# EAGLE board Mk4 Final Panel 8up 2x4 (EAGLE 9.0.1), part 15 of 23 (continued)
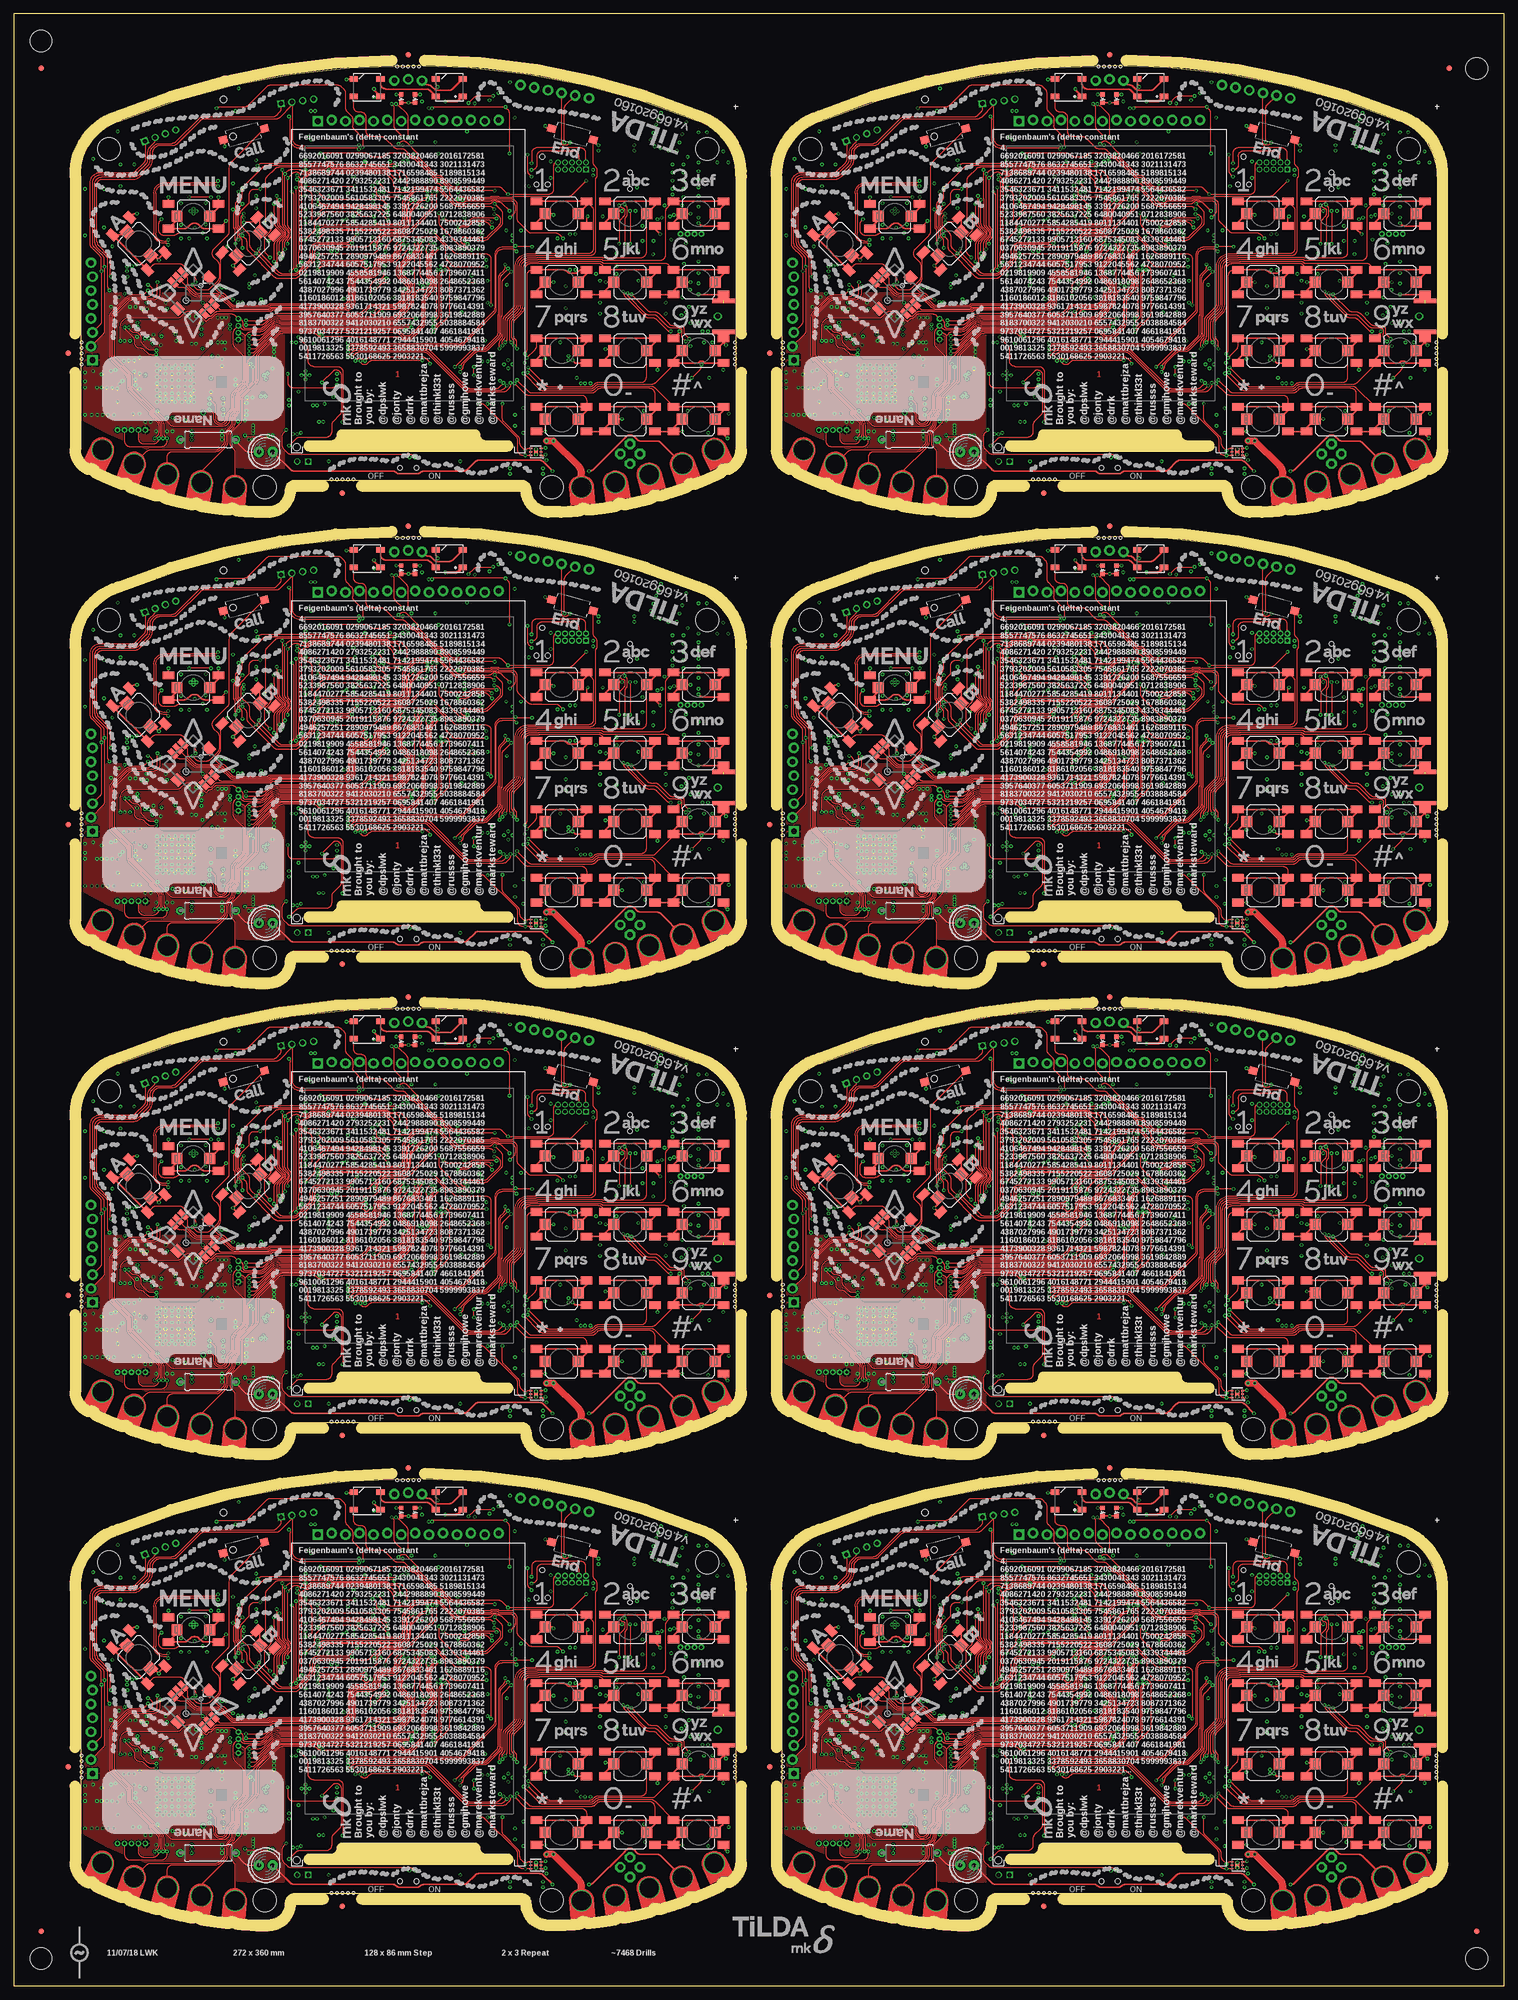
[diagram p0: board, top side]
## Tracks (layer width: path | path; a pad name or v marks a point on that pad's centre or on a via) (continued)
MIC_SWITCHED_P  (via drill 0.3)
  3V3@2 0.2: v41.06,88.32 arc-14 72,91.5 arc-7 91,90.5 arc-12 110.75,86 114,82.75 114,70.5 v113.75,70.25
  Bottom 0.2: IC12.2 105.54,66.05 arc-90 105.74,66.25 108,66.25 108.08,66.33 108.41,66.33 arc45 109.12,66.62 110.11,67.62 arc-45 110.25,67.67 110.81,67.67 arc45 111.17,67.82 111.52,68.17 arc-45 111.66,68.23 113.25,68.23 arc90 113.75,68.73 v113.75,70.25 114.5,71 115,71 115.47,71.47 S22.2 | J9.1 41.77,87.19 arc45 41.48,87.9 v41.06,88.32
MIC_SWITCHED_P1  (via drill 0.3)
  3V3@2 0.2: v169.06,88.32 arc-14 200,91.5 arc-7 219,90.5 arc-12 238.75,86 242,82.75 242,70.5 v241.75,70.25
  Bottom 0.2: IC27.2 233.54,66.05 arc-90 233.74,66.25 236,66.25 236.07,66.33 236.41,66.33 arc45 237.12,66.62 238.11,67.62 arc-45 238.25,67.67 238.81,67.67 arc45 239.17,67.82 239.51,68.17 arc-45 239.66,68.23 241.25,68.23 arc90 241.75,68.73 v241.75,70.25 242.5,71 243,71 243.47,71.47 S42.2 | J17.1 169.78,87.19 arc45 169.48,87.9 v169.06,88.32
MIC_SWITCHED_P2  (via drill 0.3)
  3V3@2 0.2: v41.06,174.32 arc-14 72,177.5 arc-7 91,176.5 arc-12 110.75,172 114,168.75 114,156.5 v113.75,156.25
  Bottom 0.2: IC45.2 105.54,152.05 arc-90 105.74,152.25 108,152.25 108.08,152.32 108.41,152.32 arc45 109.12,152.62 110.11,153.62 arc-45 110.25,153.68 110.81,153.68 arc45 111.17,153.82 111.52,154.17 arc-45 111.66,154.23 113.25,154.23 arc90 113.75,154.73 v113.75,156.25 114.5,157 115,157 115.47,157.47 S63.2 | J27.1 41.77,173.19 arc45 41.48,173.9 v41.06,174.32
MIC_SWITCHED_P3  (via drill 0.3)
  3V3@2 0.2: v169.06,174.32 arc-14 200,177.5 arc-7 219,176.5 arc-12 238.75,172 242,168.75 242,156.5 v241.75,156.25
  Bottom 0.2: IC63.2 233.54,152.05 arc-90 233.74,152.25 236,152.25 236.07,152.32 236.41,152.32 arc45 237.12,152.62 238.11,153.62 arc-45 238.25,153.68 238.81,153.68 arc45 239.17,153.82 239.51,154.17 arc-45 239.66,154.23 241.25,154.23 arc90 241.75,154.73 v241.75,156.25 242.5,157 243,157 243.47,157.47 S84.2 | J37.1 169.78,173.19 arc45 169.48,173.9 v169.06,174.32
MIC_SWITCHED_P4  (via drill 0.3)
  3V3@2 0.2: v41.06,260.32 arc-14 72,263.5 arc-7 91,262.5 arc-12 110.75,258 114,254.75 114,242.5 v113.75,242.25
  Bottom 0.2: IC81.2 105.54,238.05 arc-90 105.74,238.25 108,238.25 108.08,238.32 108.41,238.32 arc45 109.12,238.62 110.11,239.62 arc-45 110.25,239.68 110.81,239.68 arc45 111.17,239.82 111.52,240.17 arc-45 111.66,240.23 113.25,240.23 arc90 113.75,240.73 v113.75,242.25 114.5,243 115,243 115.47,243.47 S105.2 | J47.1 41.77,259.19 arc45 41.48,259.9 v41.06,260.32
MIC_SWITCHED_P5  (via drill 0.3)
  3V3@2 0.2: v169.06,260.32 arc-14 200,263.5 arc-7 219,262.5 arc-12 238.75,258 242,254.75 242,242.5 v241.75,242.25
  Bottom 0.2: IC99.2 233.54,238.05 arc-90 233.74,238.25 236,238.25 236.07,238.32 236.41,238.32 arc45 237.12,238.62 238.11,239.62 arc-45 238.25,239.68 238.81,239.68 arc45 239.17,239.82 239.51,240.17 arc-45 239.66,240.23 241.25,240.23 arc90 241.75,240.73 v241.75,242.25 242.5,243 243,243 243.47,243.47 S126.2 | J57.1 169.78,259.19 arc45 169.48,259.9 v169.06,260.32
MIC_SWITCHED_P6  (via drill 0.3)
  3V3@2 0.2: v41.06,346.32 arc-14 72,349.5 arc-7 91,348.5 arc-12 110.75,344 114,340.75 114,328.5 v113.75,328.25
  Bottom 0.2: IC117.2 105.54,324.05 arc-90 105.74,324.25 108,324.25 108.08,324.32 108.41,324.32 arc45 109.12,324.62 110.11,325.62 arc-45 110.25,325.68 110.81,325.68 arc45 111.17,325.82 111.52,326.17 arc-45 111.66,326.23 113.25,326.23 arc90 113.75,326.73 v113.75,328.25 114.5,329 115,329 115.47,329.48 S147.2 | J67.1 41.77,345.19 arc45 41.48,345.9 v41.06,346.32
MIC_SWITCHED_P7  (via drill 0.3)
  3V3@2 0.2: v169.06,346.32 arc-14 200,349.5 arc-7 219,348.5 arc-12 238.75,344 242,340.75 242,328.5 v241.75,328.25
  Bottom 0.2: IC135.2 233.54,324.05 arc-90 233.74,324.25 236,324.25 236.07,324.32 236.41,324.32 arc45 237.12,324.62 238.11,325.62 arc-45 238.25,325.68 238.81,325.68 arc45 239.17,325.82 239.51,326.17 arc-45 239.66,326.23 241.25,326.23 arc90 241.75,326.73 v241.75,328.25 242.5,329 243,329 243.47,329.48 S168.2 | J77.1 169.78,345.19 arc45 169.48,345.9 v169.06,346.32
MUX_A  (via drill 0.3)
  Top 0.15: v81.15,68.2 81.4,68.45 arc-45 81.76,68.6 81.91,68.6 arc-45 82.15,68.5 86.9,68.5 arc45 87.04,68.56 87.15,68.67 arc-45 87.29,68.72 88.31,68.72 arc-45 88.45,68.67 88.56,68.56 arc45 88.7,68.5 90.89,68.5 arc45 91.08,68.58 arc-45 91.43,68.72 101.31,68.72 arc45 102.02,69.02 v104.5,71.5
  Bottom 0.15: IC1.105 80.95,68 v81.15,68.2
  Bottom 0.2: IC12.12 104.27,71.27 v104.5,71.5 R56.1 105.54,71.29 IC12.13
MUX_A1  (via drill 0.3)
  Top 0.15: v209.15,68.2 209.4,68.45 arc-45 209.76,68.6 209.91,68.6 arc-45 210.15,68.5 214.9,68.5 arc45 215.04,68.56 215.15,68.67 arc-45 215.29,68.72 216.31,68.72 arc-45 216.45,68.67 216.56,68.56 arc45 216.7,68.5 218.89,68.5 arc45 219.08,68.58 arc-45 219.43,68.72 229.31,68.72 arc45 230.02,69.02 v232.5,71.5
  Bottom 0.15: IC20.105 208.95,68 v209.15,68.2
  Bottom 0.2: IC27.12 232.27,71.27 v232.5,71.5 R134.1 233.54,71.29 IC27.13
MUX_A2  (via drill 0.3)
  Top 0.15: v81.15,154.2 81.4,154.45 arc-45 81.76,154.6 81.91,154.6 arc-45 82.15,154.5 86.9,154.5 arc45 87.04,154.56 87.15,154.67 arc-45 87.29,154.72 88.31,154.72 arc-45 88.45,154.67 88.56,154.56 arc45 88.7,154.5 90.89,154.5 arc45 91.08,154.58 arc-45 91.43,154.72 101.31,154.72 arc45 102.02,155.02 v104.5,157.5
  Bottom 0.15: IC38.105 80.95,154 v81.15,154.2
  Bottom 0.2: IC45.12 104.27,157.27 v104.5,157.5 R212.1 105.54,157.29 IC45.13
MUX_A3  (via drill 0.3)
  Top 0.15: v209.15,154.2 209.4,154.45 arc-45 209.76,154.6 209.91,154.6 arc-45 210.15,154.5 214.9,154.5 arc45 215.04,154.56 215.15,154.67 arc-45 215.29,154.72 216.31,154.72 arc-45 216.45,154.67 216.56,154.56 arc45 216.7,154.5 218.89,154.5 arc45 219.08,154.58 arc-45 219.43,154.72 229.31,154.72 arc45 230.02,155.02 v232.5,157.5
  Bottom 0.15: IC56.105 208.95,154 v209.15,154.2
  Bottom 0.2: IC63.12 232.27,157.27 v232.5,157.5 R290.1 233.54,157.29 IC63.13
MUX_A4  (via drill 0.3)
  Top 0.15: v81.15,240.2 81.4,240.45 arc-45 81.76,240.6 81.91,240.6 arc-45 82.15,240.5 86.9,240.5 arc45 87.04,240.56 87.15,240.67 arc-45 87.29,240.72 88.31,240.72 arc-45 88.45,240.67 88.56,240.56 arc45 88.7,240.5 90.89,240.5 arc45 91.08,240.58 arc-45 91.43,240.72 101.31,240.72 arc45 102.02,241.02 v104.5,243.5
  Bottom 0.15: IC74.105 80.95,240 v81.15,240.2
  Bottom 0.2: IC81.12 104.27,243.27 v104.5,243.5 R368.1 105.54,243.29 IC81.13
MUX_A5  (via drill 0.3)
  Top 0.15: v209.15,240.2 209.4,240.45 arc-45 209.76,240.6 209.91,240.6 arc-45 210.15,240.5 214.9,240.5 arc45 215.04,240.56 215.15,240.67 arc-45 215.29,240.72 216.31,240.72 arc-45 216.45,240.67 216.56,240.56 arc45 216.7,240.5 218.89,240.5 arc45 219.08,240.58 arc-45 219.43,240.72 229.31,240.72 arc45 230.02,241.02 v232.5,243.5
  Bottom 0.15: IC92.105 208.95,240 v209.15,240.2
  Bottom 0.2: IC99.12 232.27,243.27 v232.5,243.5 R446.1 233.54,243.29 IC99.13
MUX_A6  (via drill 0.3)
  Top 0.15: v81.15,326.2 81.4,326.45 arc-45 81.76,326.6 81.91,326.6 arc-45 82.15,326.5 86.9,326.5 arc45 87.04,326.56 87.15,326.67 arc-45 87.29,326.73 88.31,326.73 arc-45 88.45,326.67 88.56,326.56 arc45 88.7,326.5 90.89,326.5 arc45 91.08,326.58 arc-45 91.43,326.73 101.31,326.73 arc45 102.02,327.02 v104.5,329.5
  Bottom 0.15: IC110.105 80.95,326 v81.15,326.2
  Bottom 0.2: IC117.12 104.27,329.27 v104.5,329.5 R524.1 105.54,329.29 IC117.13
MUX_A7  (via drill 0.3)
  Top 0.15: v209.15,326.2 209.4,326.45 arc-45 209.76,326.6 209.91,326.6 arc-45 210.15,326.5 214.9,326.5 arc45 215.04,326.56 215.15,326.67 arc-45 215.29,326.73 216.31,326.73 arc-45 216.45,326.67 216.56,326.56 arc45 216.7,326.5 218.89,326.5 arc45 219.08,326.58 arc-45 219.43,326.73 229.31,326.73 arc45 230.02,327.02 v232.5,329.5
  Bottom 0.15: IC128.105 208.95,326 v209.15,326.2
  Bottom 0.2: IC135.12 232.27,329.27 v232.5,329.5 R602.1 233.54,329.29 IC135.13
MUX_B  (via drill 0.3)
  Top 0.15: v100.25,61 99.54,61.71 arc45 98.84,62 94.51,62 arc-45 93.81,62.29 92.09,64.01 arc-45 91.8,64.71 91.8,67.2 arc90 90.8,68.2 88.57,68.2 arc-45 88.43,68.26 88.33,68.37 arc45 88.18,68.42 87.42,68.42 arc45 87.28,68.37 87.17,68.26 arc-45 87.03,68.2 82.31,68.2 arc45 81.95,68.05 v81.9,68
  Bottom 0.15: R55.2 v100.25,61 | IC1.106 81.5,67.6 v81.9,68
  Bottom 0.2: IC12.6 100.46,61.96 R55.2 100.31,61.75 arc45 101.02,62.04 101.27,62.3 101.3,62.3 101.73,62.73 IC12.5
MUX_B1  (via drill 0.3)
  Top 0.15: v228.25,61 227.54,61.71 arc45 226.84,62 222.51,62 arc-45 221.81,62.29 220.09,64.01 arc-45 219.8,64.71 219.8,67.2 arc90 218.8,68.2 216.57,68.2 arc-45 216.43,68.26 216.32,68.37 arc45 216.18,68.42 215.42,68.42 arc45 215.28,68.37 215.17,68.26 arc-45 215.03,68.2 210.31,68.2 arc45 209.95,68.05 v209.9,68
  Bottom 0.15: R133.2 v228.25,61 | IC20.106 209.5,67.6 v209.9,68
  Bottom 0.2: IC27.6 228.46,61.96 R133.2 228.31,61.75 arc45 229.01,62.04 229.27,62.3 229.3,62.3 229.73,62.73 IC27.5
MUX_B2  (via drill 0.3)
  Top 0.15: v100.25,147 99.54,147.71 arc45 98.84,148 94.51,148 arc-45 93.81,148.29 92.09,150.01 arc-45 91.8,150.71 91.8,153.2 arc90 90.8,154.2 88.57,154.2 arc-45 88.43,154.26 88.33,154.37 arc45 88.18,154.43 87.42,154.43 arc45 87.28,154.37 87.17,154.26 arc-45 87.03,154.2 82.31,154.2 arc45 81.95,154.05 v81.9,154
  Bottom 0.15: R211.2 v100.25,147 | IC38.106 81.5,153.6 v81.9,154
  Bottom 0.2: IC45.6 100.46,147.96 R211.2 100.31,147.75 arc45 101.02,148.04 101.27,148.3 101.3,148.3 101.73,148.73 IC45.5
MUX_B3  (via drill 0.3)
  Top 0.15: v228.25,147 227.54,147.71 arc45 226.84,148 222.51,148 arc-45 221.81,148.29 220.09,150.01 arc-45 219.8,150.71 219.8,153.2 arc90 218.8,154.2 216.57,154.2 arc-45 216.43,154.26 216.32,154.37 arc45 216.18,154.43 215.42,154.43 arc45 215.28,154.37 215.17,154.26 arc-45 215.03,154.2 210.31,154.2 arc45 209.95,154.05 v209.9,154
  Bottom 0.15: R289.2 v228.25,147 | IC56.106 209.5,153.6 v209.9,154
  Bottom 0.2: IC63.6 228.46,147.96 R289.2 228.31,147.75 arc45 229.01,148.04 229.27,148.3 229.3,148.3 229.73,148.73 IC63.5
MUX_B4  (via drill 0.3)
  Top 0.15: v100.25,233 99.54,233.71 arc45 98.84,234 94.51,234 arc-45 93.81,234.29 92.09,236.01 arc-45 91.8,236.71 91.8,239.2 arc90 90.8,240.2 88.57,240.2 arc-45 88.43,240.26 88.33,240.37 arc45 88.18,240.43 87.42,240.43 arc45 87.28,240.37 87.17,240.26 arc-45 87.03,240.2 82.31,240.2 arc45 81.95,240.05 v81.9,240
  Bottom 0.15: R367.2 v100.25,233 | IC74.106 81.5,239.6 v81.9,240
  Bottom 0.2: IC81.6 100.46,233.96 R367.2 100.31,233.75 arc45 101.02,234.04 101.27,234.3 101.3,234.3 101.73,234.73 IC81.5
MUX_B5  (via drill 0.3)
  Top 0.15: v228.25,233 227.54,233.71 arc45 226.84,234 222.51,234 arc-45 221.81,234.29 220.09,236.01 arc-45 219.8,236.71 219.8,239.2 arc90 218.8,240.2 216.57,240.2 arc-45 216.43,240.26 216.32,240.37 arc45 216.18,240.43 215.42,240.43 arc45 215.28,240.37 215.17,240.26 arc-45 215.03,240.2 210.31,240.2 arc45 209.95,240.05 v209.9,240
  Bottom 0.15: R445.2 v228.25,233 | IC92.106 209.5,239.6 v209.9,240
  Bottom 0.2: IC99.6 228.46,233.96 R445.2 228.31,233.75 arc45 229.01,234.04 229.27,234.3 229.3,234.3 229.73,234.73 IC99.5
MUX_B6  (via drill 0.3)
  Top 0.15: v100.25,319 99.54,319.71 arc45 98.84,320 94.51,320 arc-45 93.81,320.29 92.09,322.01 arc-45 91.8,322.71 91.8,325.2 arc90 90.8,326.2 88.57,326.2 arc-45 88.43,326.26 88.33,326.37 arc45 88.18,326.43 87.42,326.43 arc45 87.28,326.37 87.17,326.26 arc-45 87.03,326.2 82.31,326.2 arc45 81.95,326.05 v81.9,326
  Bottom 0.15: R523.2 v100.25,319 | IC110.106 81.5,325.6 v81.9,326
  Bottom 0.2: IC117.6 100.46,319.96 R523.2 100.31,319.75 arc45 101.02,320.04 101.27,320.3 101.3,320.3 101.73,320.73 IC117.5
MUX_B7  (via drill 0.3)
  Top 0.15: v228.25,319 227.54,319.71 arc45 226.84,320 222.51,320 arc-45 221.81,320.29 220.09,322.01 arc-45 219.8,322.71 219.8,325.2 arc90 218.8,326.2 216.57,326.2 arc-45 216.43,326.26 216.32,326.37 arc45 216.18,326.43 215.42,326.43 arc45 215.28,326.37 215.17,326.26 arc-45 215.03,326.2 210.31,326.2 arc45 209.95,326.05 v209.9,326
  Bottom 0.15: R601.2 v228.25,319 | IC128.106 209.5,325.6 v209.9,326
  Bottom 0.2: IC135.6 228.46,319.96 R601.2 228.31,319.75 arc45 229.01,320.04 229.27,320.3 229.3,320.3 229.73,320.73 IC135.5
N$1
  cutout GND@3 (no thermals): 33.9,40.9 33.9,40.85 33.9,40.9 34.24,41.24 arc-90 34.66,41.24 34.84,41.06 arc-90 34.84,40.64 32.15,37.95 32.15,37.8 arc-90 31.85,37.5 31.75,37.5 arc-90 31.45,37.8 31.45,38.4 33.9,40.85
N$2
  cutout GND@3 (no thermals): 29.1,42.5 29.1,38.8 29.85,38.05 29.85,37.75 arc-90 29.55,37.45 29.45,37.45 arc-90 29.15,37.75 28.4,38.5 28.4,43 29.29,43.89 arc-90 29.71,43.89 29.89,43.71 arc-90 29.89,43.29
N$3
  cutout GND@3 (no thermals): 28.1,42.6 28.1,38.6 28.65,38.05 28.65,37.75 arc-90 28.35,37.45 28.25,37.45 arc-90 27.95,37.75 27.4,38.3 27.4,42.1 26.61,42.89 arc-90 26.61,43.31 26.79,43.49 arc-90 27.21,43.49
N$4
  cutout 3V3@2: 92.1,17 92.1,20.75 96.1,20.75 96.1,17
  cutout GND@3: 92.1,17 92.1,20.75 96.1,20.75 96.1,17
N$5
  cutout GND@3 (no thermals): 161.9,40.9 161.9,40.85 161.9,40.9 162.24,41.24 arc-90 162.66,41.24 162.84,41.06 arc-90 162.84,40.64 160.15,37.95 160.15,37.8 arc-90 159.85,37.5 159.75,37.5 arc-90 159.45,37.8 159.45,38.4 161.9,40.85
N$6
  cutout GND@3 (no thermals): 157.1,42.5 157.1,38.8 157.85,38.05 157.85,37.75 arc-90 157.55,37.45 157.45,37.45 arc-90 157.15,37.75 156.4,38.5 156.4,43 157.29,43.89 arc-90 157.71,43.89 157.89,43.71 arc-90 157.89,43.29
N$7
  cutout GND@3 (no thermals): 156.1,42.6 156.1,38.6 156.65,38.05 156.65,37.75 arc-90 156.35,37.45 156.25,37.45 arc-90 155.95,37.75 155.4,38.3 155.4,42.1 154.61,42.89 arc-90 154.61,43.31 154.79,43.49 arc-90 155.21,43.49
N$8
  cutout 3V3@2: 220.1,17 220.1,20.75 224.1,20.75 224.1,17
  cutout GND@3: 220.1,17 220.1,20.75 224.1,20.75 224.1,17
N$9
  cutout GND@3 (no thermals): 33.9,126.9 33.9,126.85 33.9,126.9 34.24,127.24 arc-90 34.66,127.24 34.84,127.06 arc-90 34.84,126.64 32.15,123.95 32.15,123.8 arc-90 31.85,123.5 31.75,123.5 arc-90 31.45,123.8 31.45,124.4 33.9,126.85
N$10
  cutout GND@3 (no thermals): 29.1,128.5 29.1,124.8 29.85,124.05 29.85,123.75 arc-90 29.55,123.45 29.45,123.45 arc-90 29.15,123.75 28.4,124.5 28.4,129 29.29,129.89 arc-90 29.71,129.89 29.89,129.71 arc-90 29.89,129.29
N$11
  cutout GND@3 (no thermals): 28.1,128.6 28.1,124.6 28.65,124.05 28.65,123.75 arc-90 28.35,123.45 28.25,123.45 arc-90 27.95,123.75 27.4,124.3 27.4,128.1 26.61,128.89 arc-90 26.61,129.31 26.79,129.49 arc-90 27.21,129.49
N$12
  cutout 3V3@2: 92.1,103 92.1,106.75 96.1,106.75 96.1,103
  cutout GND@3: 92.1,103 92.1,106.75 96.1,106.75 96.1,103
N$13
  cutout GND@3 (no thermals): 161.9,126.9 161.9,126.85 161.9,126.9 162.24,127.24 arc-90 162.66,127.24 162.84,127.06 arc-90 162.84,126.64 160.15,123.95 160.15,123.8 arc-90 159.85,123.5 159.75,123.5 arc-90 159.45,123.8 159.45,124.4 161.9,126.85
N$14
  cutout GND@3 (no thermals): 157.1,128.5 157.1,124.8 157.85,124.05 157.85,123.75 arc-90 157.55,123.45 157.45,123.45 arc-90 157.15,123.75 156.4,124.5 156.4,129 157.29,129.89 arc-90 157.71,129.89 157.89,129.71 arc-90 157.89,129.29
N$15
  cutout GND@3 (no thermals): 156.1,128.6 156.1,124.6 156.65,124.05 156.65,123.75 arc-90 156.35,123.45 156.25,123.45 arc-90 155.95,123.75 155.4,124.3 155.4,128.1 154.61,128.89 arc-90 154.61,129.31 154.79,129.49 arc-90 155.21,129.49
N$16
  cutout 3V3@2: 220.1,103 220.1,106.75 224.1,106.75 224.1,103
  cutout GND@3: 220.1,103 220.1,106.75 224.1,106.75 224.1,103
N$17
  cutout GND@3 (no thermals): 33.9,212.9 33.9,212.85 33.9,212.9 34.24,213.24 arc-90 34.66,213.24 34.84,213.06 arc-90 34.84,212.64 32.15,209.95 32.15,209.8 arc-90 31.85,209.5 31.75,209.5 arc-90 31.45,209.8 31.45,210.4 33.9,212.85
N$18
  cutout GND@3 (no thermals): 29.1,214.5 29.1,210.8 29.85,210.05 29.85,209.75 arc-90 29.55,209.45 29.45,209.45 arc-90 29.15,209.75 28.4,210.5 28.4,215 29.29,215.89 arc-90 29.71,215.89 29.89,215.71 arc-90 29.89,215.29
N$19
  cutout GND@3 (no thermals): 28.1,214.6 28.1,210.6 28.65,210.05 28.65,209.75 arc-90 28.35,209.45 28.25,209.45 arc-90 27.95,209.75 27.4,210.3 27.4,214.1 26.61,214.89 arc-90 26.61,215.31 26.79,215.49 arc-90 27.21,215.49
N$20
  cutout 3V3@2: 92.1,189 92.1,192.75 96.1,192.75 96.1,189
  cutout GND@3: 92.1,189 92.1,192.75 96.1,192.75 96.1,189
N$21
  cutout GND@3 (no thermals): 161.9,212.9 161.9,212.85 161.9,212.9 162.24,213.24 arc-90 162.66,213.24 162.84,213.06 arc-90 162.84,212.64 160.15,209.95 160.15,209.8 arc-90 159.85,209.5 159.75,209.5 arc-90 159.45,209.8 159.45,210.4 161.9,212.85
N$22
  cutout GND@3 (no thermals): 157.1,214.5 157.1,210.8 157.85,210.05 157.85,209.75 arc-90 157.55,209.45 157.45,209.45 arc-90 157.15,209.75 156.4,210.5 156.4,215 157.29,215.89 arc-90 157.71,215.89 157.89,215.71 arc-90 157.89,215.29
N$23
  cutout GND@3 (no thermals): 156.1,214.6 156.1,210.6 156.65,210.05 156.65,209.75 arc-90 156.35,209.45 156.25,209.45 arc-90 155.95,209.75 155.4,210.3 155.4,214.1 154.61,214.89 arc-90 154.61,215.31 154.79,215.49 arc-90 155.21,215.49
N$24
  cutout 3V3@2: 220.1,189 220.1,192.75 224.1,192.75 224.1,189
  cutout GND@3: 220.1,189 220.1,192.75 224.1,192.75 224.1,189
N$25
  cutout GND@3 (no thermals): 33.9,298.9 33.9,298.85 33.9,298.9 34.24,299.24 arc-90 34.66,299.24 34.84,299.06 arc-90 34.84,298.64 32.15,295.95 32.15,295.8 arc-90 31.85,295.5 31.75,295.5 arc-90 31.45,295.8 31.45,296.4 33.9,298.85
N$26
  cutout GND@3 (no thermals): 29.1,300.5 29.1,296.8 29.85,296.05 29.85,295.75 arc-90 29.55,295.45 29.45,295.45 arc-90 29.15,295.75 28.4,296.5 28.4,301 29.29,301.89 arc-90 29.71,301.89 29.89,301.71 arc-90 29.89,301.29
N$27
  cutout GND@3 (no thermals): 28.1,300.6 28.1,296.6 28.65,296.05 28.65,295.75 arc-90 28.35,295.45 28.25,295.45 arc-90 27.95,295.75 27.4,296.3 27.4,300.1 26.61,300.89 arc-90 26.61,301.31 26.79,301.49 arc-90 27.21,301.49
N$28
  cutout 3V3@2: 92.1,275 92.1,278.75 96.1,278.75 96.1,275
  cutout GND@3: 92.1,275 92.1,278.75 96.1,278.75 96.1,275
N$29
  cutout GND@3 (no thermals): 161.9,298.9 161.9,298.85 161.9,298.9 162.24,299.24 arc-90 162.66,299.24 162.84,299.06 arc-90 162.84,298.64 160.15,295.95 160.15,295.8 arc-90 159.85,295.5 159.75,295.5 arc-90 159.45,295.8 159.45,296.4 161.9,298.85
N$30
  cutout GND@3 (no thermals): 157.1,300.5 157.1,296.8 157.85,296.05 157.85,295.75 arc-90 157.55,295.45 157.45,295.45 arc-90 157.15,295.75 156.4,296.5 156.4,301 157.29,301.89 arc-90 157.71,301.89 157.89,301.71 arc-90 157.89,301.29
N$31
  cutout GND@3 (no thermals): 156.1,300.6 156.1,296.6 156.65,296.05 156.65,295.75 arc-90 156.35,295.45 156.25,295.45 arc-90 155.95,295.75 155.4,296.3 155.4,300.1 154.61,300.89 arc-90 154.61,301.31 154.79,301.49 arc-90 155.21,301.49
N$32
  cutout 3V3@2: 220.1,275 220.1,278.75 224.1,278.75 224.1,275
  cutout GND@3: 220.1,275 220.1,278.75 224.1,278.75 224.1,275
NETLIGHT_R
  Bottom 0.15: IC5.41 109.2,44 arc-90 108.2,43 102.75,43 R42.2
NETLIGHT_R1
  Bottom 0.15: IC21.41 237.2,44 arc-90 236.2,43 230.75,43 R124.2
NETLIGHT_R2
  Bottom 0.15: IC39.41 109.2,130 arc-90 108.2,129 102.75,129 R202.2
NETLIGHT_R3
  Bottom 0.15: IC57.41 237.2,130 arc-90 236.2,129 230.75,129 R280.2
NETLIGHT_R4
  Bottom 0.15: IC75.41 109.2,216 arc-90 108.2,215 102.75,215 R358.2
NETLIGHT_R5
  Bottom 0.15: IC93.41 237.2,216 arc-90 236.2,215 230.75,215 R436.2
NETLIGHT_R6
  Bottom 0.15: IC111.41 109.2,302 arc-90 108.2,301 102.75,301 R514.2
NETLIGHT_R7
  Bottom 0.15: IC129.41 237.2,302 arc-90 236.2,301 230.75,301 R592.2
OSC0
  Bottom 0.15: IC1.88 75,76.2 C16.2 74.75,77.91 arc45 74.46,78.62 X2.1
OSC1
  Bottom 0.15: IC1.89 75.4,74.1 R6.1
OSC1_R
  Bottom 0.15: R6.2 C17.2 75.75,77.47 X2.3
OSC1_R1
  Bottom 0.15: R90.2 C127.2 203.75,77.47 X6.3
OSC1_R2
  Bottom 0.15: R168.2 C235.2 75.75,163.47 X10.3
OSC1_R3
  Bottom 0.15: R246.2 C343.2 203.75,163.47 X14.3
OSC1_R4
  Bottom 0.15: R324.2 C451.2 75.75,249.47 X18.3
OSC1_R5
  Bottom 0.15: R402.2 C559.2 203.75,249.47 X22.3
OSC1_R6
  Bottom 0.15: R480.2 C667.2 75.75,335.48 X26.3
OSC1_R7
  Bottom 0.15: R558.2 C775.2 203.75,335.48 X30.3
OSC2
  Bottom 0.15: IC20.88 203,76.2 C126.2 202.75,77.91 arc45 202.46,78.62 X6.1
OSC3
  Bottom 0.15: IC20.89 203.4,74.1 R90.1
OSC4
  Bottom 0.15: IC38.88 75,162.2 C234.2 74.75,163.91 arc45 74.46,164.62 X10.1
OSC5
  Bottom 0.15: IC38.89 75.4,160.1 R168.1
OSC6
  Bottom 0.15: IC56.88 203,162.2 C342.2 202.75,163.91 arc45 202.46,164.62 X14.1
OSC7
  Bottom 0.15: IC56.89 203.4,160.1 R246.1
OSC8
  Bottom 0.15: IC74.88 75,248.2 C450.2 74.75,249.91 arc45 74.46,250.62 X18.1
OSC9
  Bottom 0.15: IC74.89 75.4,246.1 R324.1
OSC10
  Bottom 0.15: IC92.88 203,248.2 C558.2 202.75,249.91 arc45 202.46,250.62 X22.1
OSC11
  Bottom 0.15: IC92.89 203.4,246.1 R402.1
OSC12
  Bottom 0.15: IC110.88 75,334.2 C666.2 74.75,335.91 arc45 74.46,336.62 X26.1
OSC13
  Bottom 0.15: IC110.89 75.4,332.1 R480.1
OSC14
  Bottom 0.15: IC128.88 203,334.2 C774.2 202.75,335.91 arc45 202.46,336.62 X30.1
OSC15
  Bottom 0.15: IC128.89 203.4,332.1 R558.1
POWER_SWITCH  (via drill 0.3)
  Top 0.15: v73.25,21 73.02,21.23 arc45 72.31,21.52 72.03,21.52 72.01,21.5 50.71,21.5 arc-45 50.01,21.79 49.32,22.48 arc-45 49.02,23.19 49.02,24.86 arc-45 49.32,25.57 v49.75,26
  Bottom 0.15: Q3.4 50.3,26.2 R13.1 v49.75,26 | S18.3 73.61,20.85 arc-45 v73.25,21
POWER_SWITCH1  (via drill 0.3)
  Top 0.15: v201.25,21 201.02,21.23 arc45 200.31,21.52 200.03,21.52 200.01,21.5 178.71,21.5 arc-45 178.01,21.79 177.32,22.48 arc-45 177.03,23.19 177.03,24.86 arc-45 177.32,25.57 v177.75,26
  Bottom 0.15: Q7.4 178.3,26.2 R96.1 v177.75,26 | S39.3 201.61,20.85 arc-45 v201.25,21
POWER_SWITCH2  (via drill 0.3)
  Top 0.15: v73.25,107 73.02,107.23 arc45 72.31,107.53 72.03,107.53 72.01,107.5 50.71,107.5 arc-45 50.01,107.79 49.32,108.48 arc-45 49.02,109.19 49.02,110.86 arc-45 49.32,111.57 v49.75,112
  Bottom 0.15: Q12.4 50.3,112.2 R174.1 v49.75,112 | S60.3 73.61,106.85 arc-45 v73.25,107
POWER_SWITCH3  (via drill 0.3)
  Top 0.15: v201.25,107 201.02,107.23 arc45 200.31,107.53 200.03,107.53 200.01,107.5 178.71,107.5 arc-45 178.01,107.79 177.32,108.48 arc-45 177.03,109.19 177.03,110.86 arc-45 177.32,111.57 v177.75,112
  Bottom 0.15: Q16.4 178.3,112.2 R252.1 v177.75,112 | S81.3 201.61,106.85 arc-45 v201.25,107
POWER_SWITCH4  (via drill 0.3)
  Top 0.15: v73.25,193 73.02,193.23 arc45 72.31,193.53 72.03,193.53 72.01,193.5 50.71,193.5 arc-45 50.01,193.79 49.32,194.48 arc-45 49.02,195.19 49.02,196.86 arc-45 49.32,197.57 v49.75,198
  Bottom 0.15: Q20.4 50.3,198.2 R330.1 v49.75,198 | S102.3 73.61,192.85 arc-45 v73.25,193
POWER_SWITCH5  (via drill 0.3)
  Top 0.15: v201.25,193 201.02,193.23 arc45 200.31,193.53 200.03,193.53 200.01,193.5 178.71,193.5 arc-45 178.01,193.79 177.32,194.48 arc-45 177.03,195.19 177.03,196.86 arc-45 177.32,197.57 v177.75,198
  Bottom 0.15: Q24.4 178.3,198.2 R408.1 v177.75,198 | S123.3 201.61,192.85 arc-45 v201.25,193
POWER_SWITCH6  (via drill 0.3)
  Top 0.15: v73.25,279 73.02,279.23 arc45 72.31,279.52 72.03,279.52 72.01,279.5 50.71,279.5 arc-45 50.01,279.79 49.32,280.48 arc-45 49.02,281.19 49.02,282.86 arc-45 49.32,283.57 v49.75,284
  Bottom 0.15: Q28.4 50.3,284.2 R486.1 v49.75,284 | S144.3 73.61,278.85 arc-45 v73.25,279
POWER_SWITCH7  (via drill 0.3)
  Top 0.15: v201.25,279 201.02,279.23 arc45 200.31,279.52 200.03,279.52 200.01,279.5 178.71,279.5 arc-45 178.01,279.79 177.32,280.48 arc-45 177.03,281.19 177.03,282.86 arc-45 177.32,283.57 v177.75,284
  Bottom 0.15: Q32.4 178.3,284.2 R564.1 v177.75,284 | S165.3 201.61,278.85 arc-45 v201.25,279
PWM2_SPK_PWM  (via drill 0.3)
  3V3@2 0.15: v60,64.25 60.25,64 60.25,55.75 58,53.5 v57.5,53.5
  Bottom 0.15: IC1.44 61.46,63.2 arc-45 60.76,63.49 v60,64.25 | v57.5,53.5 43.98,53.5 arc-45 43.84,53.56 43.76,53.64 arc45 43.62,53.7 42.91,53.7 arc-45 42.21,53.99 41.84,54.36 arc-45 41.55,55.06 41.55,56.43 arc45 41.18,57.32 39.74,58.76 arc45 39.21,58.98 38.98,58.98 arc-90 38.48,59.48 38.48,59.69 arc45 38.29,60.13 arc-45 38,60.84 38,71.4 arc90 37,72.4 C105.2
PWM2_SPK_PWM1  (via drill 0.3)
  3V3@2 0.15: v188,64.25 188.25,64 188.25,55.75 186,53.5 v185.5,53.5
  Bottom 0.15: IC20.44 189.46,63.2 arc-45 188.76,63.49 v188,64.25 | v185.5,53.5 171.98,53.5 arc-45 171.84,53.56 171.76,53.64 arc45 171.62,53.7 170.91,53.7 arc-45 170.21,53.99 169.84,54.36 arc-45 169.55,55.06 169.55,56.43 arc45 169.18,57.32 167.75,58.76 arc45 167.21,58.98 166.97,58.98 arc-90 166.47,59.48 166.47,59.69 arc45 166.29,60.13 arc-45 166,60.84 166,71.4 arc90 165,72.4 C213.2
PWM2_SPK_PWM2  (via drill 0.3)
  3V3@2 0.15: v60,150.25 60.25,150 60.25,141.75 58,139.5 v57.5,139.5
  Bottom 0.15: IC38.44 61.46,149.2 arc-45 60.76,149.49 v60,150.25 | v57.5,139.5 43.98,139.5 arc-45 43.84,139.56 43.76,139.64 arc45 43.62,139.7 42.91,139.7 arc-45 42.21,139.99 41.84,140.36 arc-45 41.55,141.06 41.55,142.43 arc45 41.18,143.32 39.74,144.75 arc45 39.21,144.97 38.98,144.97 arc-90 38.48,145.47 38.48,145.69 arc45 38.29,146.13 arc-45 38,146.84 38,157.4 arc90 37,158.4 C321.2
PWM2_SPK_PWM3  (via drill 0.3)
  3V3@2 0.15: v188,150.25 188.25,150 188.25,141.75 186,139.5 v185.5,139.5
  Bottom 0.15: IC56.44 189.46,149.2 arc-45 188.76,149.49 v188,150.25 | v185.5,139.5 171.98,139.5 arc-45 171.84,139.56 171.76,139.64 arc45 171.62,139.7 170.91,139.7 arc-45 170.21,139.99 169.84,140.36 arc-45 169.55,141.06 169.55,142.43 arc45 169.18,143.32 167.75,144.75 arc45 167.21,144.97 166.97,144.97 arc-90 166.47,145.47 166.47,145.69 arc45 166.29,146.13 arc-45 166,146.84 166,157.4 arc90 165,158.4 C429.2
PWM2_SPK_PWM4  (via drill 0.3)
  3V3@2 0.15: v60,236.25 60.25,236 60.25,227.75 58,225.5 v57.5,225.5
  Bottom 0.15: IC74.44 61.46,235.2 arc-45 60.76,235.49 v60,236.25 | v57.5,225.5 43.98,225.5 arc-45 43.84,225.56 43.76,225.64 arc45 43.62,225.7 42.91,225.7 arc-45 42.21,225.99 41.84,226.36 arc-45 41.55,227.06 41.55,228.43 arc45 41.18,229.32 39.74,230.75 arc45 39.21,230.97 38.98,230.97 arc-90 38.48,231.47 38.48,231.69 arc45 38.29,232.13 arc-45 38,232.84 38,243.4 arc90 37,244.4 C537.2
PWM2_SPK_PWM5  (via drill 0.3)
  3V3@2 0.15: v188,236.25 188.25,236 188.25,227.75 186,225.5 v185.5,225.5
  Bottom 0.15: IC92.44 189.46,235.2 arc-45 188.76,235.49 v188,236.25 | v185.5,225.5 171.98,225.5 arc-45 171.84,225.56 171.76,225.64 arc45 171.62,225.7 170.91,225.7 arc-45 170.21,225.99 169.84,226.36 arc-45 169.55,227.06 169.55,228.43 arc45 169.18,229.32 167.75,230.75 arc45 167.21,230.97 166.97,230.97 arc-90 166.47,231.47 166.47,231.69 arc45 166.29,232.13 arc-45 166,232.84 166,243.4 arc90 165,244.4 C645.2
PWM2_SPK_PWM6  (via drill 0.3)
  3V3@2 0.15: v60,322.25 60.25,322 60.25,313.75 58,311.5 v57.5,311.5
  Bottom 0.15: IC110.44 61.46,321.2 arc-45 60.76,321.49 v60,322.25 | v57.5,311.5 43.98,311.5 arc-45 43.84,311.56 43.76,311.64 arc45 43.62,311.7 42.91,311.7 arc-45 42.21,311.99 41.84,312.36 arc-45 41.55,313.06 41.55,314.43 arc45 41.18,315.32 39.74,316.75 arc45 39.21,316.98 38.98,316.98 arc-90 38.48,317.48 38.48,317.69 arc45 38.29,318.13 arc-45 38,318.84 38,329.4 arc90 37,330.4 C753.2
PWM2_SPK_PWM7  (via drill 0.3)
  3V3@2 0.15: v188,322.25 188.25,322 188.25,313.75 186,311.5 v185.5,311.5